# KiCad board endeavour2.kicad_pcb
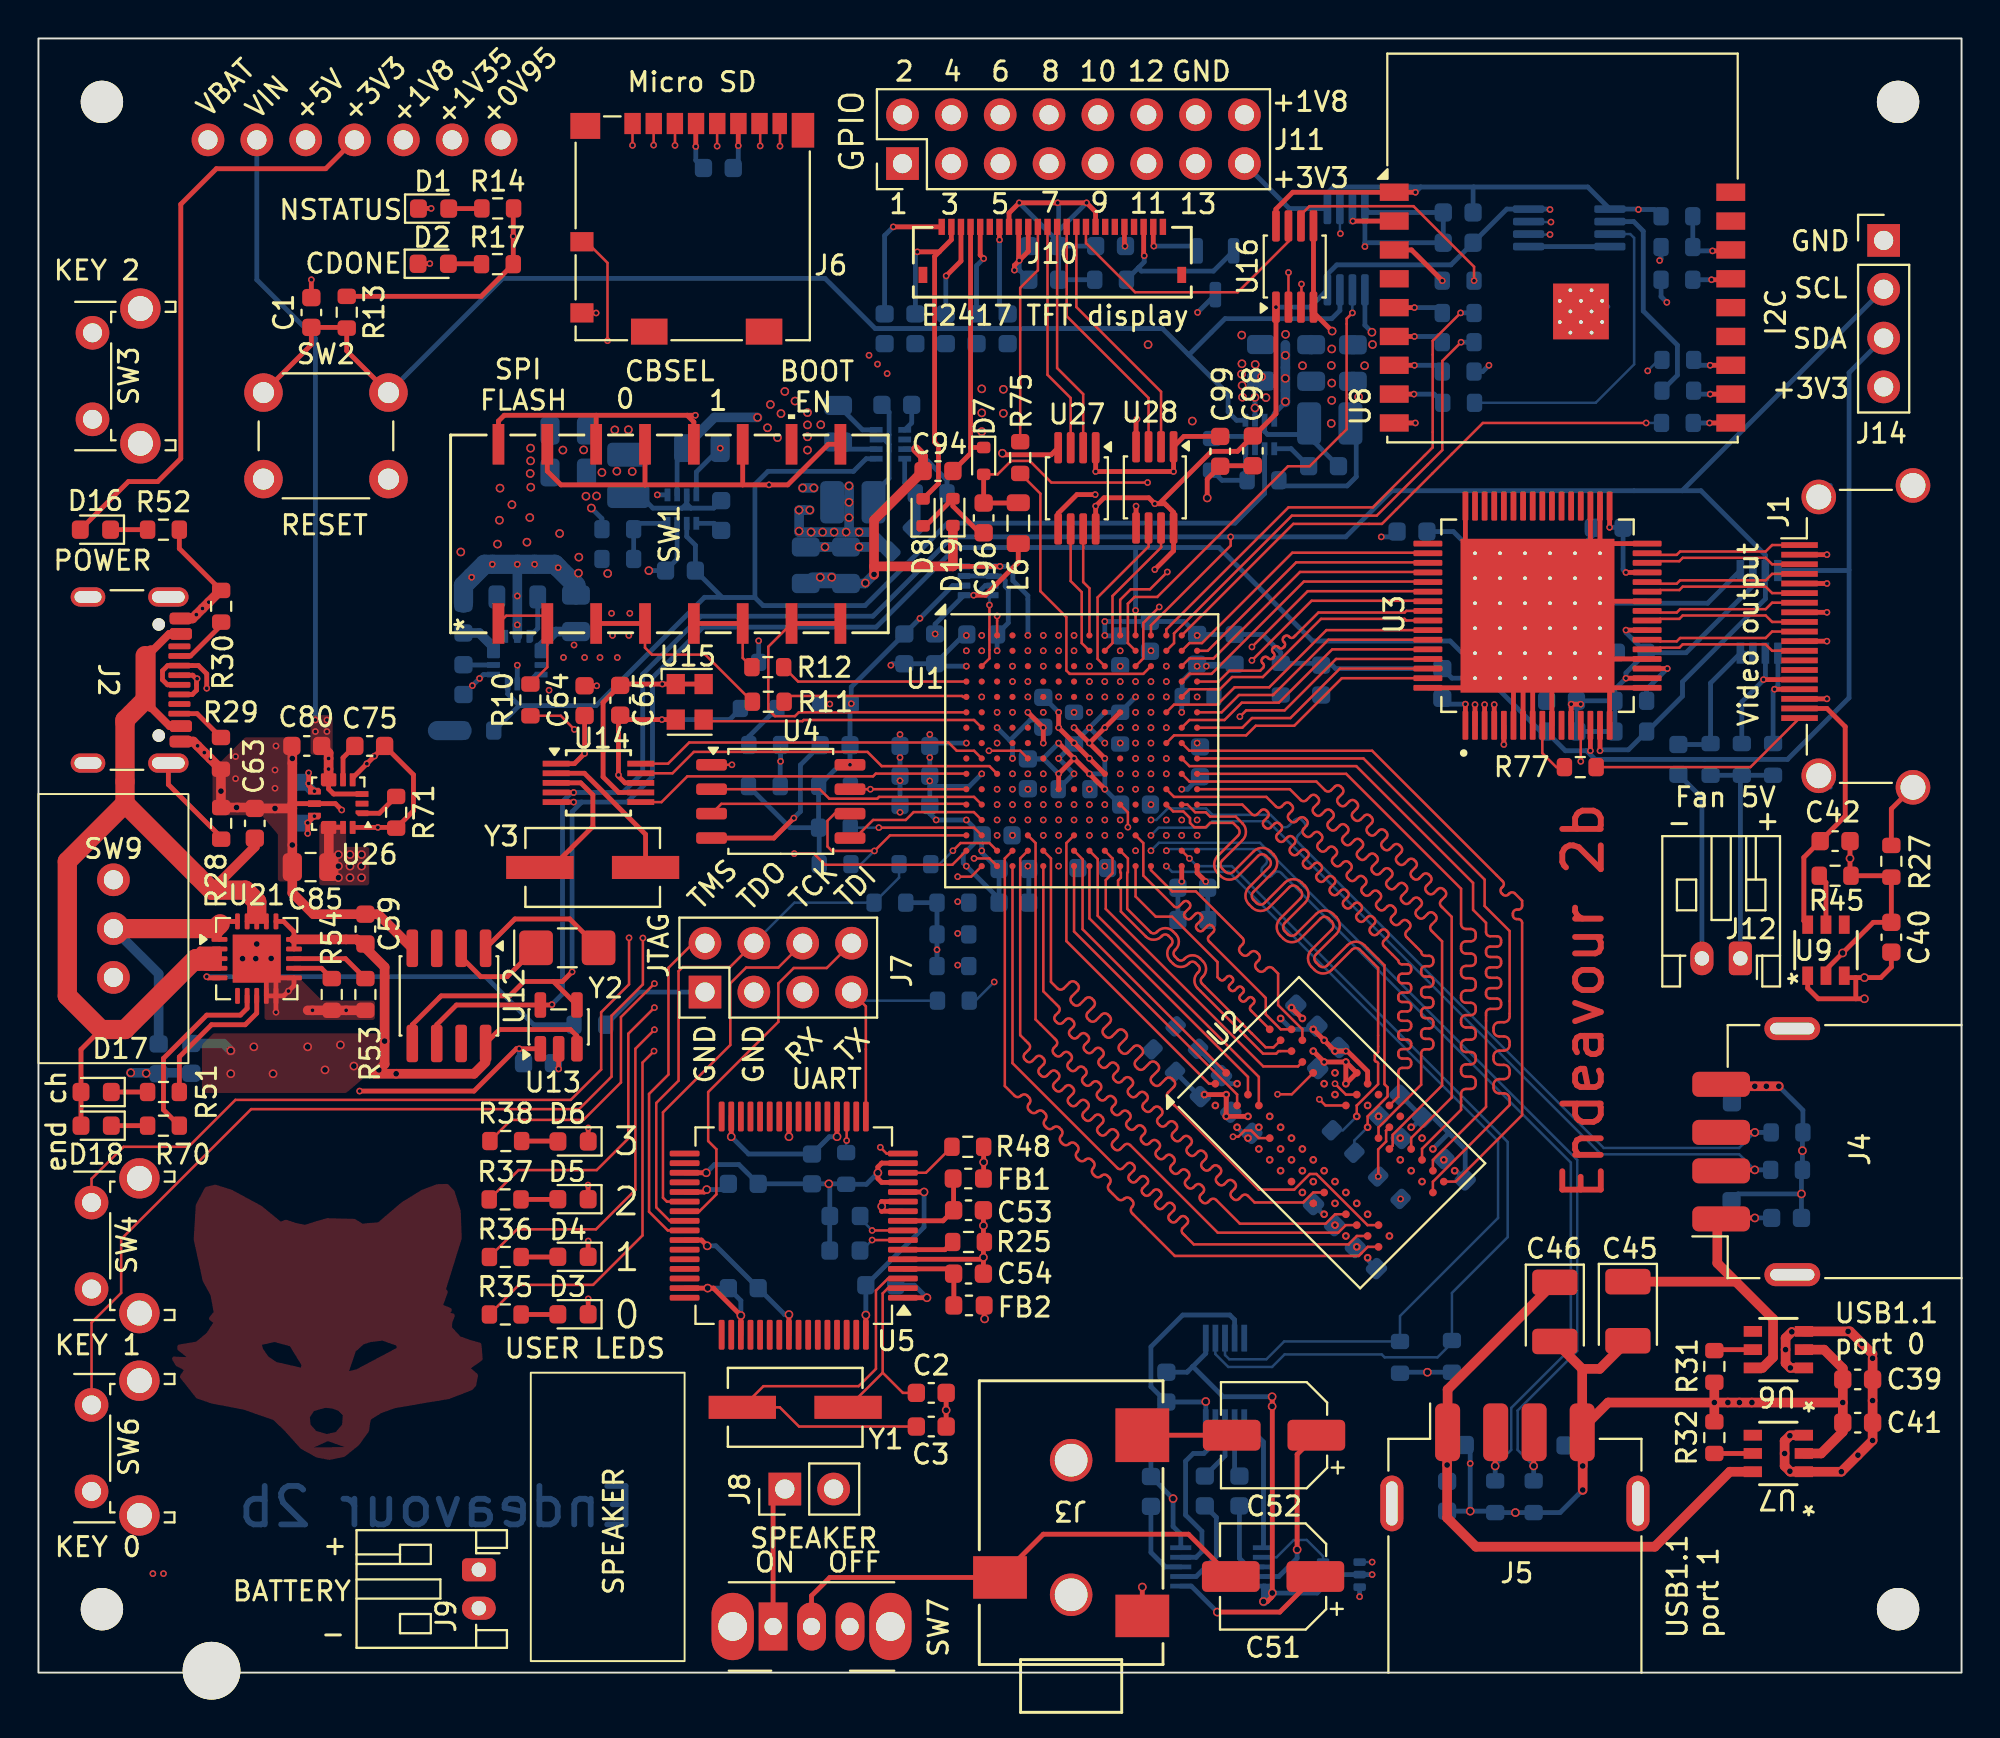
[diagram p0: board, top side]
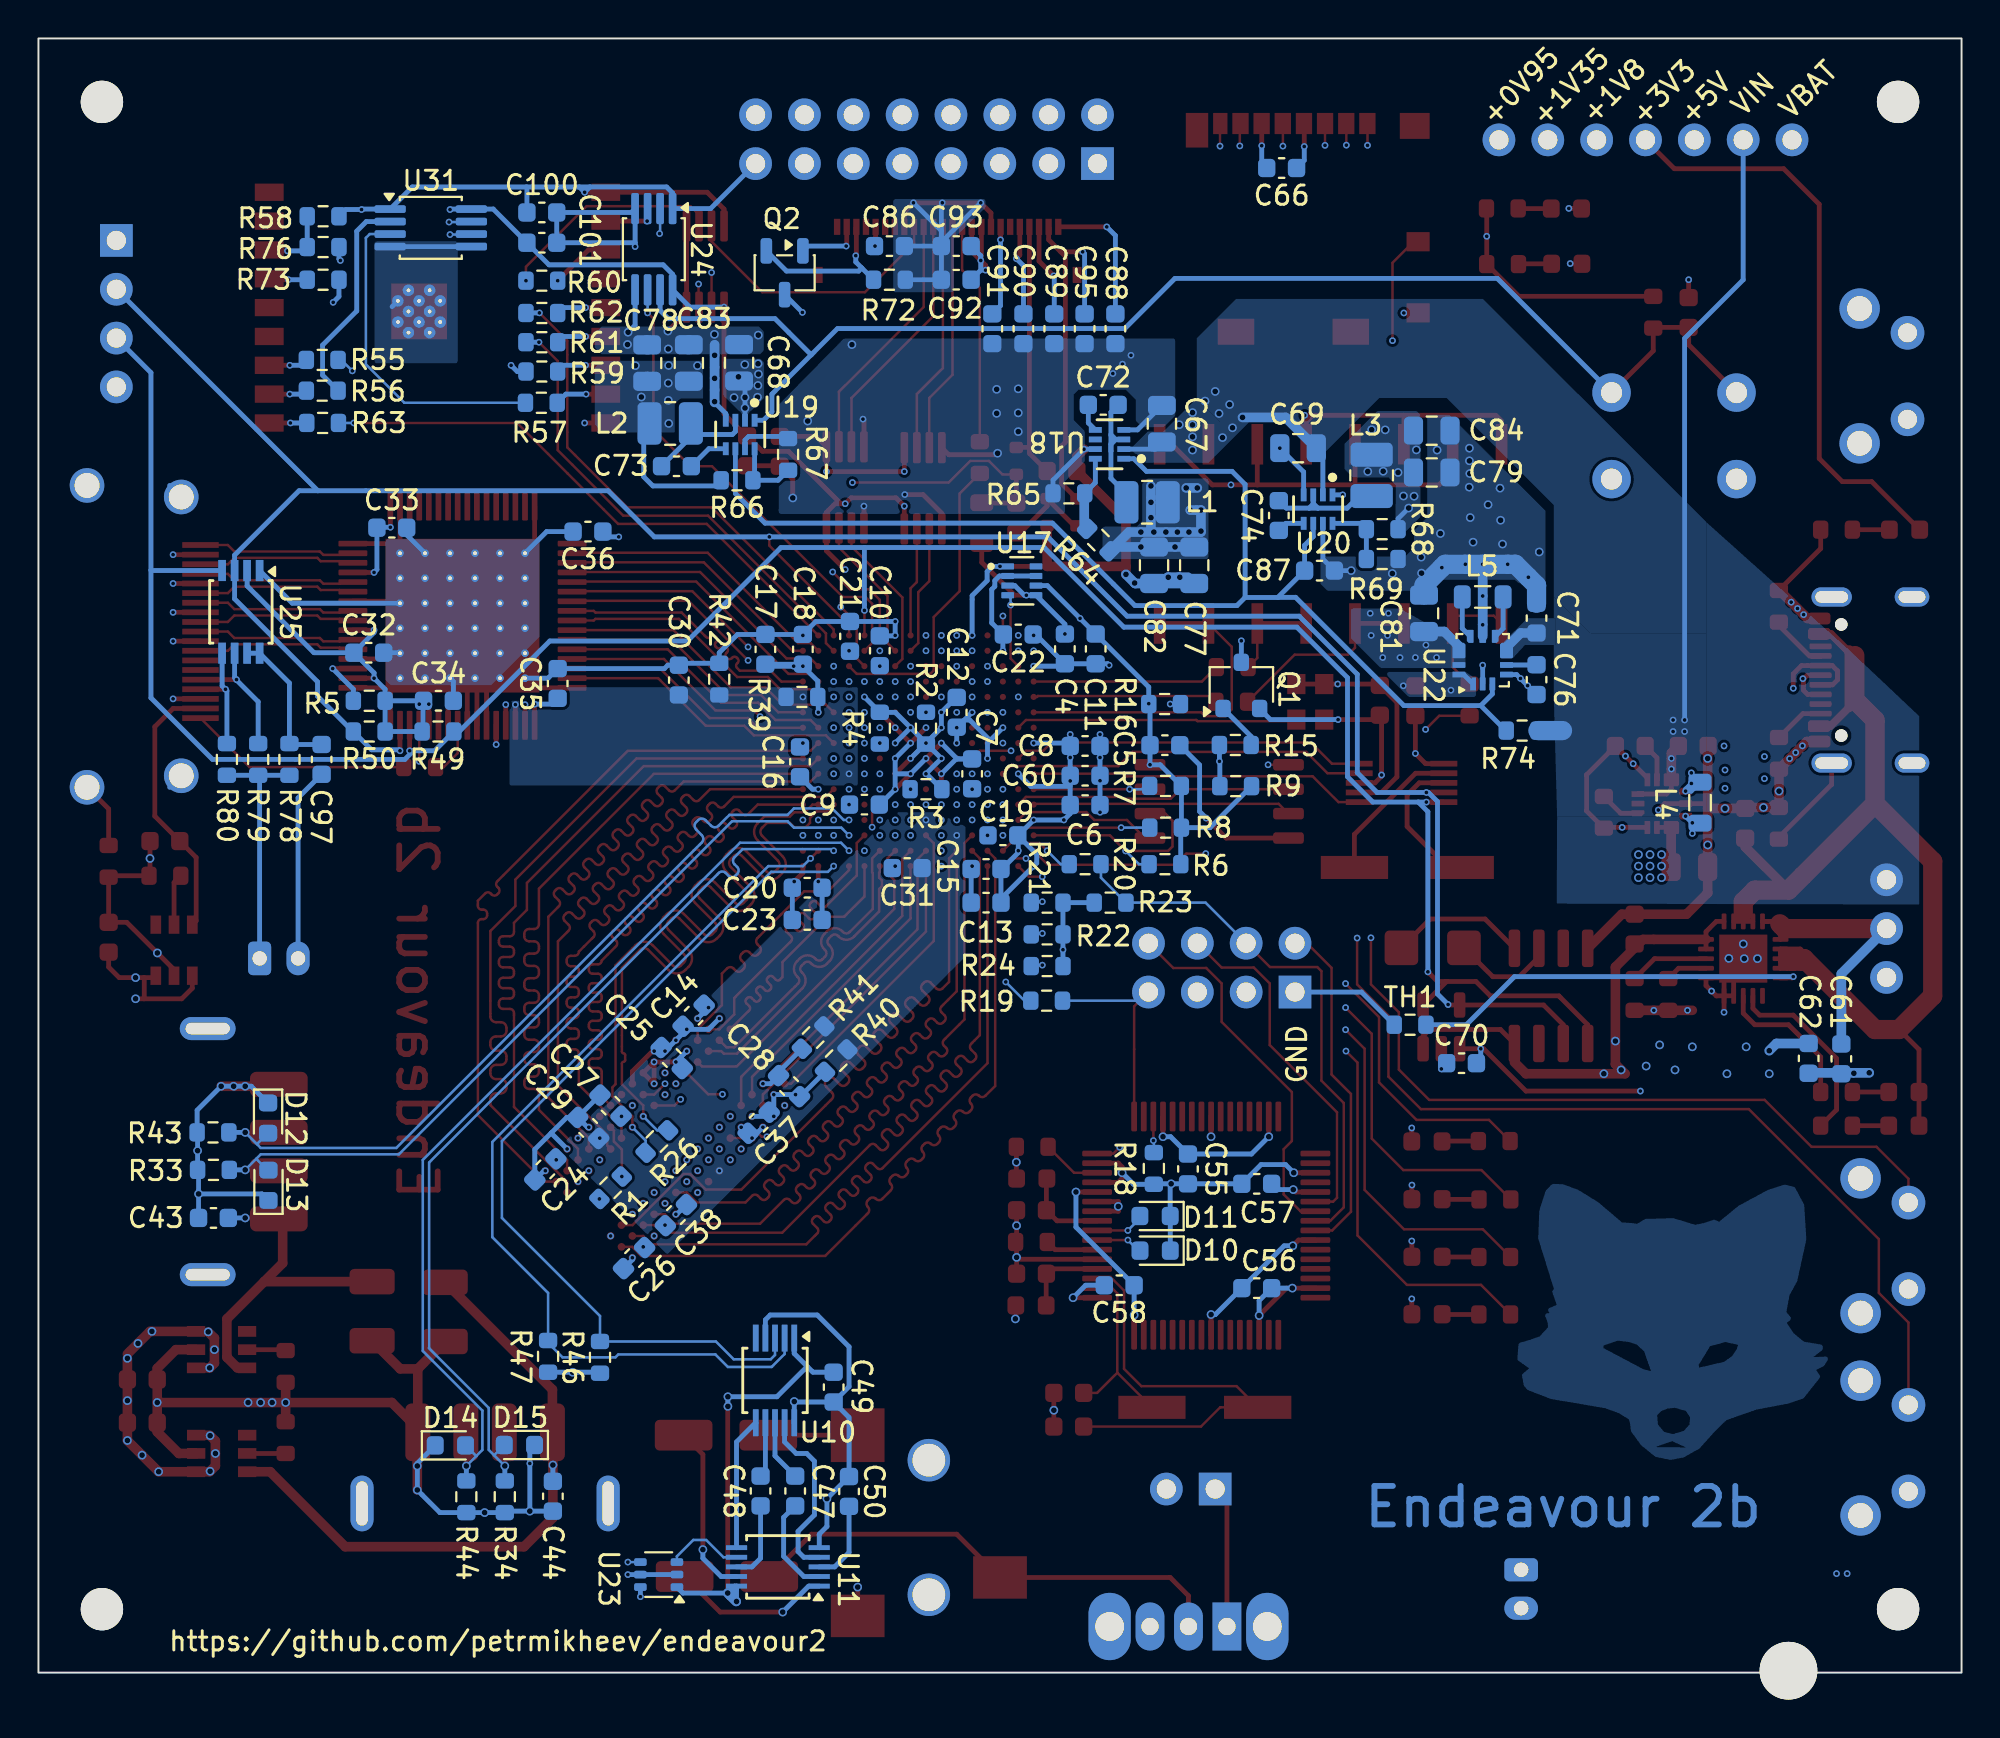
[diagram p1: board, bottom side, seen from below]

Outline 100 x 85 mm; copper layers: Top, In1.Cu (plane), In2.Cu, In3.Cu, In4.Cu, Bottom. Coordinates in mm from the lower left corner of the outline.
Outline path: rectangle 0,85 100,0
Stack: Top 0.035mm / dielectric 0.1mm FR4 er 4.5 / In1.Cu 0.035mm / dielectric 0.535mm FR4 er 4.5 / In2.Cu 0.035mm / dielectric 0.1mm FR4 er 4.5 / In3.Cu 0.035mm / dielectric 0.535mm FR4 er 4.5 / In4.Cu 0.035mm / dielectric 0.1mm FR4 er 4.5 / Bottom 0.035mm

## Placement (name value [footprint] x y rotation side)
C1  1uF  [C_0603_1608Metric]  14.19 70.74 90 top
C2  27pF  [C_0603_1608Metric]  46.43 14.55 0 top
C3  27pF  [C_0603_1608Metric]  46.43 12.8 0 top
C4  1uF  [C_0603_1608Metric]  46.62 53.25 270 bottom
C5  0.1uF  [C_0603_1608Metric]  41.43 48.24 180 bottom
C6  47uF  [C_0603_1608Metric]  45.57 45.12 0 bottom
C7  0.01uF  [C_0603_1608Metric]  51.45 46.75 270 bottom
C8  4.7uF  [C_0603_1608Metric]  45.57 48.2 0 bottom
C9  1uF  [C_0603_1608Metric]  57.05 45.15 0 bottom
C10  10uF  [C_0603_1608Metric]  56.25 53.15 90 bottom
C11  4.7uF  [C_0603_1608Metric]  45.03 53.25 270 bottom
C12  0.01uF  [C_0603_1608Metric]  52.25 49.95 90 bottom
C13  10uF  [C_0603_1608Metric]  50.72 40.05 180 bottom
C14  1uF  [C_0603_1608Metric]  65.93 34.17 135 bottom
C15  0.01uF  [C_0603_1608Metric]  50.72 41.8 180 bottom
C16  47uF  [C_0603_1608Metric]  60.4 47.37 90 bottom
C17  1uF  [C_0603_1608Metric]  62.2 53.22 90 bottom
C18  0.01uF  [C_0603_1608Metric]  60.25 53.22 90 bottom
C19  0.1uF  [C_0603_1608Metric]  49.85 43.55 180 bottom
C20  0.1uF  [C_0603_1608Metric]  60.03 40.82 0 bottom
C21  0.1uF  [C_0603_1608Metric]  57.8 53.9 90 bottom
C22  0.1uF  [C_0603_1608Metric]  49.05 54 180 bottom
C23  4.7uF  [C_0603_1608Metric]  60.03 39.15 0 bottom
C24  10uF  [C_0603_1608Metric]  73.64 26.18 315 bottom
C25  0.1uF  [C_0603_1608Metric]  67.07 31.97 225 bottom
C26  0.1uF  [C_0603_1608Metric]  69.03 21.56 315 bottom
C27  0.01uF  [C_0603_1608Metric]  70.25 29.49 45 bottom
C28  4.7uF  [C_0603_1608Metric]  60.97 30.51 45 bottom
C29  0.1uF  [C_0603_1608Metric]  71.42 28.33 45 bottom
C30  0.1uF  [C_0603_1608Metric]  66.7 51.62 90 bottom
C31  0.1uF  [C_0603_1608Metric]  54.82 41.85 0 bottom
C32  0.01uF  [C_0603_1608Metric]  82.82 53.05 180 bottom
C33  0.01uF  [C_0603_1608Metric]  81.62 59.55 180 bottom
C34  0.01uF  [C_0603_1608Metric]  79.2 50.55 180 bottom
C35  0.01uF  [C_0603_1608Metric]  73 51.45 90 bottom
C36  10uF  [C_0603_1608Metric]  71.43 59.35 0 bottom
C37  0.01uF  [C_0603_1608Metric]  62.55 28.6 315 bottom
C38  0.01uF  [C_0603_1608Metric]  66.85 23.8 135 bottom
C39  10uF  [C_0603_1608Metric]  94.6 15.25 0 top
C40  10uF  [C_0603_1608Metric]  96.35 38.25 90 top
C41  0.1uF  [C_0603_1608Metric]  94.6 13 0 top
C42  10uF  [C_0603_1608Metric]  93.43 43.25 0 top
C43  0.1uF  [C_0603_1608Metric]  90.9 23.65 180 bottom
C44  0.1uF  [C_0603_1608Metric]  73.25 9.17 90 bottom
C45  100uF  [CP_EIA-3528-12_Kemet-T]  82.65 18.8 270 top
C46  100uF  [CP_EIA-3528-12_Kemet-T]  78.85 18.76 270 top
C47  1uF  [C_0603_1608Metric]  60.65 9.45 270 bottom
C48  1uF  [C_0603_1608Metric]  62.45 9.45 270 bottom
C49  1uF  [C_0603_1608Metric]  58.65 14.85 90 bottom
C50  1uF  [C_0603_1608Metric]  57.85 9.42 90 bottom
C51  100uF  [CP_Elec_5x5.3]  64.2 5 180 top
C52  100uF  [CP_Elec_5x5.3]  64.25 12.35 180 top
C53  1uF  [C_0603_1608Metric]  48.36 24.05 0 top
C54  1uF  [C_0603_1608Metric]  48.36 20.75 0 top
C55  0.1uF  [C_0603_1608Metric]  40.22 26.2 270 bottom
C56  0.1uF  [C_0603_1608Metric]  36.65 20 180 bottom
C57  0.1uF  [C_0603_1608Metric]  36.65 25.42 0 bottom
C58  0.1uF  [C_0603_1608Metric]  43.8 20.15 0 bottom
C59  0.1uF  [C_0603_1608Metric]  17 38.67 90 top
C60  0.1uF  [C_0603_1608Metric]  45.57 46.65 0 bottom
C61  4.7uF  [C_0603_1608Metric]  6.25 31.92 270 bottom
C62  4.7uF  [C_0603_1608Metric]  7.95 31.95 270 bottom
C63  10uF  [C_0603_1608Metric]  11.25 44.17 90 top
C64  0.1uF  [C_0603_1608Metric]  28.4 50.55 90 top
C65  0.1uF  [C_0603_1608Metric]  30.25 50.57 270 top
C66  1uF  [C_0603_1608Metric]  35.35 78.26 0 bottom
C67  22uF  [C_0805_2012Metric]  41.58 64.96 90 bottom
C68  22uF  [C_0805_2012Metric]  63.57 68.13 90 bottom
C69  22uF  [C_0805_2012Metric]  34.5 63.69 0 bottom
C70  0.1uF  [C_0603_1608Metric]  26 31.7 180 bottom
C71  10uF  [C_0603_1608Metric]  22.1 54.85 90 bottom
C72  0.1uF  [C_0603_1608Metric]  44.63 65.94 180 bottom
C73  0.1uF  [C_0603_1608Metric]  66.82 62.75 0 bottom
C74  0.1uF  [C_0603_1608Metric]  35.5 60.18 90 bottom
C75  1uF  [C_0603_1608Metric]  17.22 48.2 0 top
C76  1uF  [C_0603_1608Metric]  22.1 51.65 270 bottom
C77  22uF  [C_0805_2012Metric]  39.9 57.6 270 bottom
C78  22uF  [C_0805_2012Metric]  68.35 68.11 90 bottom
C79  22uF  [C_0805_2012Metric]  27.55 62.42 180 bottom
C80  10uF  [C_0603_1608Metric]  13.95 48.2 180 top
C81  22uF  [C_0805_2012Metric]  27.95 55.1 90 bottom
C82  22uF  [C_0805_2012Metric]  41.99 57.6 270 bottom
C83  22uF  [C_0805_2012Metric]  66.18 68.12 90 bottom
C84  22uF  [C_0805_2012Metric]  27.55 64.6 180 bottom
C85  22uF  [C_0805_2012Metric]  14.15 41.9 180 top
C86  4.7uF  [C_0603_1608Metric]  55.75 74.2 0 bottom
C87  1uF  [C_0603_1608Metric]  33.38 57.32 180 bottom
C88  4.7uF  [C_0603_1608Metric]  44 69.9 90 bottom
C89  4.7uF  [C_0603_1608Metric]  47.18 69.9 90 bottom
C90  4.7uF  [C_0603_1608Metric]  48.78 69.9 90 bottom
C91  1uF  [C_0603_1608Metric]  50.4 69.9 90 bottom
C92  4.7uF  [C_0603_1608Metric]  52.28 72.45 180 bottom
C93  0.1uF  [C_0603_1608Metric]  52.28 74.2 180 bottom
C94  4.7uF  [C_0603_1608Metric]  46.78 62.5 0 top
C95  4.7uF  [C_0603_1608Metric]  45.6 69.9 90 bottom
C96  4.7uF  [C_0603_1608Metric]  49.15 60.06 270 top
C97  0.1uF  [C_0603_1608Metric]  85.28 47.5 270 bottom
C98  0.1uF  [C_0603_1608Metric]  63.15 63.55 90 top
C99  0.1uF  [C_0603_1608Metric]  61.45 63.52 90 top
C100  0.1uF  [C_0603_1608Metric]  73.82 75.95 180 bottom
C101  0.1uF  [C_0603_1608Metric]  73.82 74.37 180 bottom
D1  5988E20107F  [LED_0603_1608Metric]  20.55 76.15 0 top
D2  5988E40107F  [LED_0603_1608Metric]  20.53 73.28 0 top
D3  5988E40107F  [LED_0603_1608Metric]  27.8 18.64 180 top
D4  5988E40107F  [LED_0603_1608Metric]  27.8 21.63 180 top
D5  5988E40107F  [LED_0603_1608Metric]  27.79 24.63 180 top
D6  5988E40107F  [LED_0603_1608Metric]  27.8 27.63 180 top
D7  RB751S40T1G  [D_SOD-523]  49.15 63.02 270 top
D8  RB751S40T1G  [D_SOD-523]  46 60.35 90 top
D10  D_TVS 3v3  [D_0603_1608Metric]  41.93 21.95 0 bottom
D11  D_TVS 3v3  [D_0603_1608Metric]  41.94 23.75 0 bottom
D12  D_TVS 3v3  [D_0603_1608Metric]  88.06 28.84 270 bottom
D13  D_TVS 3v3  [D_0603_1608Metric]  88.04 25.35 90 bottom
D14  D_TVS 3v3  [D_0603_1608Metric]  78.58 11.82 180 bottom
D15  D_TVS 3v3  [D_0603_1608Metric]  74.99 11.84 0 bottom
D16  5988E40107F  [LED_0603_1608Metric]  2.96 59.45 180 top
D17  5988E20107F  [LED_0603_1608Metric]  3 30.2 180 top
D18  5988E40107F  [LED_0603_1608Metric]  3 28.45 180 top
D19  RB751S40T1G  [D_SOD-523]  47.55 60.36 90 top
FB1  120  [L_0603_1608Metric]  48.35 25.7 0 top
FB2  120  [L_0603_1608Metric]  48.39 19.1 0 top
J1  HDMI_A  [HDMI_A_Amphenol_10029449-x01xLF_Horizontal]  96.57 53.9 90 top
J2  USB_C_Receptacle_USB2.0  [USB_C_Receptacle_GCT_USB4105-xx-A_16P_TopMnt_Horizontal]  3.65 51.63 270 top
J3  SJ-3523-SMT  [SJ-3523-SMT_CUD]  53.7 7.8 180 top
J4  USB_A  [USB_A_Receptacle_GCT_USB1046]  94.75 27.1 90 top
J5  USB_A  [USB_A_Receptacle_GCT_USB1046#2]  76.78 5.25 0 top
J6  Micro_SD_Card_Det2  [microSD_HC_Molex_104031-0811]  34 75.12 0 top
J7  Conn_02x04_Odd_Even  [PinHeader_2x04_P2.54mm_Vertical]  34.66 35.4 90 top
J8  Conn_01x02  [PinHeader_1x02_P2.54mm_Vertical]  38.81 9.55 90 top
J9  Battery  [JST_PH_S2B-PH-K_1x02_P2.00mm_Horizontal]  22.9 5.35 270 top
J10  CF35242D0RE-NH  [CONN24X1_CF35242D0RE-NH_CVI]  52.72 73.36 0 top
J11  Conn_GPIO  [PinHeader_2x08_P2.54mm_Vertical]  44.93 78.49 90 top
J12  Fan  [JST_PH_S2B-PH-K_1x02_P2.00mm_Horizontal]  88.5 37.15 180 top
J13  power_test_points  [PinHeader_1x07_P2.54mm_Vertical]  8.81 79.72 90 top
J14  Conn_01x04_Pin  [PinHeader_1x04_P2.54mm_Vertical]  95.95 74.49 0 top
L1  2.2uH  [L_1008_2520Metric]  42.35 60.87 180 bottom
L2  2.2uH  [L_1008_2520Metric]  67.15 64.97 0 bottom
L3  2.2uH  [L_1008_2520Metric]  30.67 62.27 90 bottom
L4  1uH  [L_0805_2012Metric]  13.6 45.25 270 bottom
L5  1uH  [L_0805_2012Metric]  24.9 55.95 0 bottom
L6  10uH  [L_0805_2012Metric]  50.95 59.79 90 top
NOREF  -  [unnamed]  9 0 0 top
Q1  Q_NPN_BEC 2SC3326-B,LF  [SC-59]  37.45 51.35 90 bottom
Q2  SSM3K336R,LF  [SOT-23-3]  61.2 72.81 270 bottom
R1  240  [R_0603_1608Metric]  70.25 25.22 315 bottom
R2  10K  [R_0603_1608Metric]  53.85 49.12 270 bottom
R3  10K  [R_0603_1608Metric]  53.85 45.95 180 bottom
R4  10K  [R_0603_1608Metric]  56.25 49.12 90 bottom
R5  510  [R_0603_1608Metric]  82.8 50.55 180 bottom
R6  10K  [R_0603_1608Metric]  41.43 42.05 0 bottom
R7  10K  [R_0603_1608Metric]  41.4 46.12 0 bottom
R8  10K  [R_0603_1608Metric]  41.39 43.95 0 bottom
R9  10K  [R_0603_1608Metric]  37.75 46.11 0 bottom
R10  10K  [R_0603_1608Metric]  25.58 50.59 90 top
R11  10K  [R_0603_1608Metric]  37.95 50.5 180 top
R12  10K  [R_0603_1608Metric]  37.93 52.3 180 top
R13  10K  [R_0603_1608Metric]  16.03 70.76 270 top
R14  25  [R_0603_1608Metric]  23.88 76.16 180 top
R15  100K  [R_0603_1608Metric]  37.76 48.25 180 bottom
R16  10K  [R_0603_1608Metric]  41.44 50.38 180 bottom
R17  25  [R_0603_1608Metric]  23.86 73.26 180 top
R18  10K  [R_0603_1608Metric]  42 26.22 270 bottom
R19  75  [R_0603_1608Metric]  47.57 34.95 0 bottom
R20  75  [R_0603_1608Metric]  45.57 42.05 0 bottom
R21  10K  [R_0603_1608Metric]  47.55 40.05 180 bottom
R22  10K  [R_0603_1608Metric]  47.55 38.4 180 bottom
R23  10K  [R_0603_1608Metric]  44.28 40.05 0 bottom
R24  10K  [R_0603_1608Metric]  47.55 36.75 180 bottom
R25  12K  [R_0603_1608Metric]  48.36 22.4 0 top
R26  100  [R_0603_1608Metric]  67.84 27.63 135 bottom
R27  1M  [R_0603_1608Metric]  96.35 42.2 90 top
R28  1M  [R_0603_1608Metric]  9.5 44.17 90 top
R29  5.1K  [R_0603_1608Metric]  9.49 47.81 270 top
R30  5.1K  [R_0603_1608Metric]  9.5 55.46 90 top
R31  60K  [R_0603_1608Metric]  87.15 15.93 270 top
R32  60K  [R_0603_1608Metric]  87.15 12.23 90 top
R33  15K  [R_0603_1608Metric]  90.9 26.15 0 bottom
R34  15K  [R_0603_1608Metric]  75.75 9.15 270 bottom
R35  25  [R_0603_1608Metric]  24.28 18.63 0 top
R36  25  [R_0603_1608Metric]  24.28 21.62 0 top
R37  25  [R_0603_1608Metric]  24.27 24.61 0 top
R38  25  [R_0603_1608Metric]  24.3 27.65 0 top
R39  1K  [R_0603_1608Metric]  60.3 50.75 0 bottom
R40  1K  [R_0603_1608Metric]  58.52 31.83 135 bottom
R41  1K  [R_0603_1608Metric]  59.72 33.03 315 bottom
R42  1K  [R_0603_1608Metric]  64.6 51.67 90 bottom
R43  15K  [R_0603_1608Metric]  90.93 28.1 0 bottom
R44  15K  [R_0603_1608Metric]  77.75 9.15 270 bottom
R45  200K  [R_0603_1608Metric]  93.43 41.45 0 top
R46  1.5K  [R_0603_1608Metric]  70.8 16.4 90 bottom
R47  1.5K  [R_0603_1608Metric]  73.5 16.45 90 bottom
R48  1K  [R_0603_1608Metric]  48.32 27.35 180 top
R49  5.1K  [R_0603_1608Metric]  79.22 48.95 180 bottom
R50  5.1K  [R_0603_1608Metric]  82.8 48.95 0 bottom
R51  560  [R_0603_1608Metric]  6.5 30.2 0 top
R52  510  [R_0603_1608Metric]  6.5 59.45 0 top
R53  2K  [R_0603_1608Metric]  17 35.27 90 top
R54  15K  [R_0603_1608Metric]  15.25 35.27 90 top
R55  75  [R_0603_1608Metric]  85.25 68.28 0 bottom
R56  75  [R_0603_1608Metric]  85.25 66.68 0 bottom
R57  75  [R_0603_1608Metric]  73.85 66.05 180 bottom
R58  10K  [R_0603_1608Metric]  85.2 75.75 0 bottom
R59  10K  [R_0603_1608Metric]  73.82 67.67 180 bottom
R60  75  [R_0603_1608Metric]  73.82 72.4 180 bottom
R61  75  [R_0603_1608Metric]  73.82 69.2 180 bottom
R62  75  [R_0603_1608Metric]  73.82 70.72 180 bottom
R63  75  [R_0603_1608Metric]  85.22 65 0 bottom
R64  23.2K  [R_0603_1608Metric]  44.88 58.91 225 bottom
R65  40.2K  [R_0603_1608Metric]  46.42 61.34 180 bottom
R66  24.9K  [R_0603_1608Metric]  63.68 62.02 0 bottom
R67  20K  [R_0603_1608Metric]  61.02 63.36 270 bottom
R68  40.2K  [R_0603_1608Metric]  30.12 59.47 180 bottom
R69  20K  [R_0603_1608Metric]  30.12 57.92 0 bottom
R70  560  [R_0603_1608Metric]  6.5 28.45 0 top
R71  4.99K  [R_0603_1608Metric]  18.6 44.75 90 top
R72  0.47  [R_0603_1608Metric]  55.75 72.45 0 bottom
R73  75  [R_0603_1608Metric]  85.2 72.45 180 bottom
R74  10K  [R_0603_1608Metric]  22.85 49 0 bottom
R75  75  [R_0603_1608Metric]  51.05 63.2 90 top
R76  75  [R_0603_1608Metric]  85.2 74.15 180 bottom
R77  1K  [R_0603_1608Metric]  80.18 47.1 0 top
R78  200K  [R_0603_1608Metric]  86.95 47.5 90 bottom
R79  2K  [R_0603_1608Metric]  88.57 47.5 90 bottom
R80  2K  [R_0603_1608Metric]  90.2 47.5 90 bottom
REF**  -  [MountingHole_2.2mm_M2]  3.3 81.7 0 top
REF**#2  -  [MountingHole_2.2mm_M2]  96.7 81.7 0 top
REF**#3  -  [MountingHole_2.2mm_M2]  3.3 3.3 0 top
REF**#4  -  [MountingHole_2.2mm_M2]  96.7 3.3 0 top
SW1  204-124ST  [SPDT_204-124_CTS]  32.81 59.23 90 top
SW2  SW_Push TS02  [SW_PUSH_6mm]  11.7 66.58 0 top
SW3  SW_Push TS11  [SW_Tactile_SPST_Angled_PTS645Vx58-2LFS]  2.81 65.19 90 top
SW4  SW_Push TS11  [SW_Tactile_SPST_Angled_PTS645Vx58-2LFS]  2.76 19.95 90 top
SW6  SW_Push TS11  [SW_Tactile_SPST_Angled_PTS645Vx58-2LFS]  2.76 9.42 90 top
SW7  SW_SPDT SLW-864587-2A-RA-N-D  [SW_Slide_SPDT_Angled_CK_OS102011MA1Q]  38.2 2.4 0 top
SW9  MSS 3111 D-R  [mss3111]  3.9 38.7 0 top
TH1  10K  [R_0603_1608Metric]  28.67 33.7 180 bottom
U1  Ti60F256  [BGA-256_14.0x14.0mm_Layout16x16_P0.8mm_Ball0.45mm_Pad0.32mm_NSMD]  54.25 47.95 0 top
U2  IM8G16D3FFBG  [BGA-96_9.0x13.5mm_Layout2x3x16_P0.8mm]  67.14 28.09 45 top
U3  TFP410PAP  [IC_TFP410PAP]  77.95 54.97 90 top
U4  W25Q128JWS  [SOIC-8_5.23x5.23mm_P1.27mm]  38.6 45.31 0 top
U5  FT2232HL  [LQFP-64_10x10mm_P0.5mm]  39.28 23.25 180 top
U6  AP22653W6-7  [SOT26_DIO]  90.48 16.8 180 top
U7  AP22653W6-7  [SOT26_DIO]  90.47 11.4 180 top
U8  ESP32-C3-WROOM-02-N4  [ESP32-C3-WROOM-02]  79.25 71 0 top
U9  AP22653W6-7  [SOT26_DIO]  92.95 37.58 90 top
U10  MCP4728  [MSOP-10_3x3mm_P0.5mm]  61.7 15.2 270 bottom
U11  LM4811  [TSSOP-10_3x3mm_P0.5mm]  61.55 5.5 0 bottom
U12  PCF85063AT  [SOIC-8_3.9x4.9mm_P1.27mm]  21.34 35.2 270 top
U13  MCP3221/MCP3021  [SOT-23-5]  27.05 33.59 90 top
U14  Si5351A-B-GT  [MSOP-10_3x3mm_P0.5mm]  29.12 46.28 0 top
U15  MC2520Z 25MHz  [Oscillator_SMD_Kyocera_KC2520Z-4Pin_2.5x2.0mm]  33.87 50.49 0 top
U16  SN74LVC2T45DCTR  [MSOP-8_3x3mm_P0.65mm]  65.32 73.14 90 top
U17  TPS2116DRLR  [SOTFL50P160X60-8N]  48.87 56.79 180 bottom
U18  TPS562211DRLR  [DRL0008A-MFG]  44.3 63.89 0 bottom
U19  TPS562211DRLR  [DRL0008A-MFG]  63.51 64.4 270 bottom
U20  TPS562211DRLR  [DRL0008A-MFG]  33.46 60.52 270 bottom
U21  MCP73871-2CC  [QFN-20-1EP_4x4mm_P0.5mm_EP2.5x2.5mm]  11.35 37.14 0 top
U22  MAX77827AEFD  [Maxim_FC2QFN-14_2.5x2.5mm_P0.5mm]  24.9 52.66 90 bottom
U23  SN74LVC1T45DCK  [SOT-363_SC-70-6]  67.75 5.1 0 bottom
U24  SN74LVC2T45DCTR  [MSOP-8_3x3mm_P0.65mm]  68 74.04 270 bottom
U25  PCA9306DP  [TSSOP-8_3x3mm_P0.65mm]  89.47 55.17 270 bottom
U26  MAX77827AEFD  [Maxim_FC2QFN-14_2.5x2.5mm_P0.5mm]  15.59 45.2 180 top
U27  SN74LVC2T45DCTR  [MSOP-8_3x3mm_P0.65mm]  54 61.6 270 top
U28  SN74LVC2T45DCTR  [MSOP-8_3x3mm_P0.65mm]  58.05 61.65 270 top
U31  SN74LVC2T45DCTR  [MSOP-8_3x3mm_P0.65mm]  79.6 75.15 180 bottom
Y1  ECS120-20-3XTR 12MHz  [XTAL_ECS-120-20-3X-TR]  39.35 13.8 180 top
Y2  CM315D32768HZFT  [Crystal_SMD_MicroCrystal_CC7V-T1A-2Pin_3.2x1.5mm_HandSoldering]  27.5 37.7 0 top
Y3  ECS250-20-3XTR 25MHz  [XTAL_ECS-120-20-3X-TR]  28.82 41.88 0 top

## Library data of the parts
C1 C4-C38 C40 C42 C53-C58 C60-C69 C71 C75-C101 = -: Description: Unpolarized capacitor; ki_fp_filters: C_*
C2 C3 C39 C41 C43 C44 C47-C50 C59 C70 C72-C74 = -: ki_fp_filters: C_*
C45 C46 C51 C52 = -: Description: Polarized capacitor; ki_fp_filters: CP_*
D1-D6 D16-D18 = -: Description: Light emitting diode; ki_fp_filters: LED* LED_SMD:* LED_THT:*
D7 D8 D19 = -: Description: Schottky diode; ki_fp_filters: TO-???* *_Diode_* *SingleDiode* D_*
D10-D15 = -: Description: Bidirectional transient-voltage-suppression diode; ki_fp_filters: TO-???* *_Diode_* *SingleDiode* D_*
FB1 FB2 = -: Description: Ferrite bead, small symbol; ki_fp_filters: Inductor_* L_* *Ferrite*
J1 = -: Datasheet: https://en.wikipedia.org/wiki/HDMI; ki_fp_filters: HDMI*A*
J2 = -: Datasheet: https://www.usb.org/sites/default/files/documents/usb_type-c.zip; ki_fp_filters: USB*C*Receptacle*
J3 = -: ki_fp_filters: SJ-3523-SMT_CUD
J4 J5 = -: ki_fp_filters: USB*
J6 = -: Datasheet: https://www.hirose.com/en/product/document?clcode=&productname=&series=DM3&documenttype=Catalog&lang=en&documentid=D49662_en; ki_fp_filters: microSD*
J7 = -: Description: Generic connector, double row, 02x04, odd/even pin numbering scheme (row 1 odd numbers, row 2 even numbers), script generated (kicad-library-utils/schlib/autogen/connector/); ki_fp_filters: Connector*:*_2x??_*
J8 = -: Description: Generic connector, single row, 01x02, script generated (kicad-library-utils/schlib/autogen/connector/); ki_fp_filters: Connector*:*_1x??_*
J9 J12 = -: Description: Generic connector, single row, 01x02, script generated; ki_fp_filters: Connector*:*_1x??_*
J10 = -: ki_fp_filters: CONN24X1_CF35242D0RE-NH_CVI
J11 = -: Description: Generic connector, double row, 02x08, odd/even pin numbering scheme (row 1 odd numbers, row 2 even numbers), script generated (kicad-library-utils/schlib/autogen/connector/); ki_fp_filters: Connector*:*_2x??_*
J13 = -: Description: Generic connector, single row, 01x07, script generated; ki_fp_filters: Connector*:*_1x??_*
J14 = -: Description: Generic connector, single row, 01x04, script generated; ki_fp_filters: Connector*:*_1x??_*
L1-L6 = -: ki_fp_filters: Choke_* *Coil* Inductor_* L_*
Q1 = -: Description: NPN transistor, base/emitter/collector
Q2 = -: Description: N-MOSFET transistor, gate/source/drain
R1-R24 R26 R35-R42 R51 R52 R55-R71 R73-R77 R79 R80 = -: Description: Resistor; ki_fp_filters: R_*
R25 R27-R34 R43-R50 R53 R54 R72 R78 = -: ki_fp_filters: R_*
SW1 = -: ki_fp_filters: SPDT_204-124_CTS
SW2-SW4 SW6 = -: Description: Push button switch, generic, two pins
SW7 SW9 = -: Description: Switch, single pole double throw
TH1 = -: Description: Temperature dependent resistor, negative temperature coefficient; ki_fp_filters: *NTC* *Thermistor* PIN?ARRAY* bornier* *Terminal?Block* R_*
U1 = -: SPLIT_INST: TRUE; SWAP_INFO: (S1+S2+S3+S4+S5+S6+S7+S8+S9+S10+S11+S12+S13)
U2 = -: Datasheet: https://intelligentmemory.sharepoint.com/:b:/s/IMExternalDistributorSite/Ecuvm-uMbCVIl9grL3aELyQB16hFya2av3bbZkp0DUXdow?e=UwvDgU; Description: 8Gb (512Mx16 bit) Double Data Rate 3 Synchronous DRAM; ki_fp_filters: BGA*9.0x13.0mm*P0.8mm*
U3 = -: PARTREV: D; STANDARD: Manufacturer Recommendations; MAXIMUM_PACKAGE_HEIGHT: 1.2 mm; MANUFACTURER: Texas Instruments
U4 = -: Datasheet: http://www.winbond.com/resource-files/w25q128jv_dtr%20revc%2003272018%20plus.pdf; Description: 128Mb Serial Flash Memory, Standard/Dual/Quad SPI, SOIC-8; ki_fp_filters: SOIC*5.23x5.23mm*P1.27mm*